# Altium PCB iMX6 Rex_V1I1_PCB.PcbDoc (part 1 of 8) (continued)
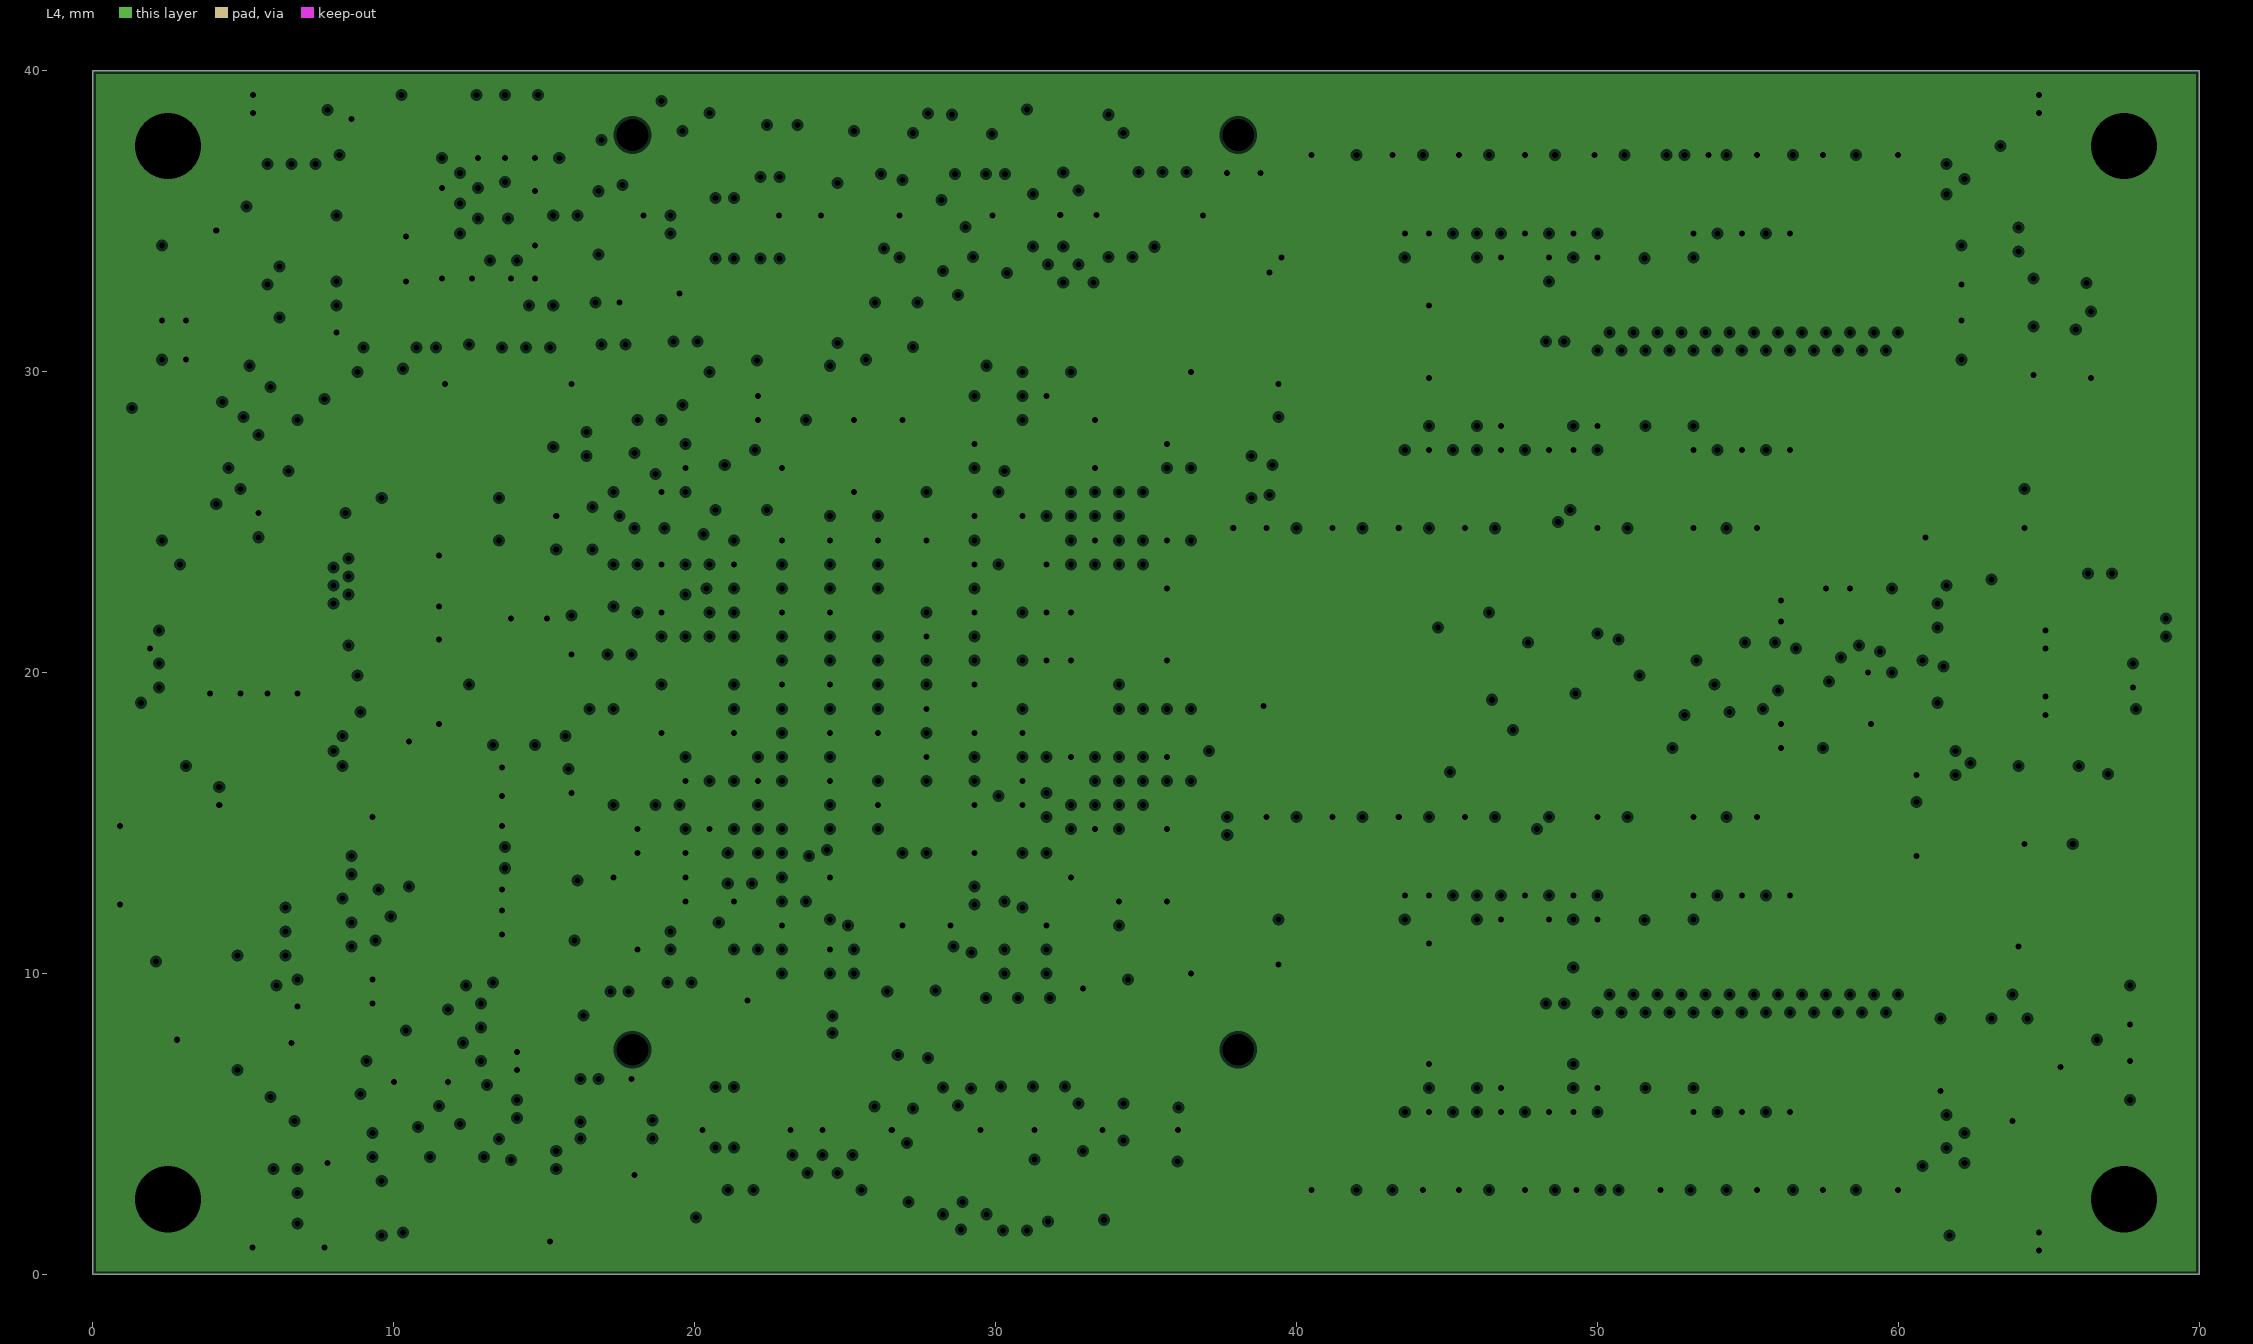
[diagram p4: L4, clearances drawn from the general rule]
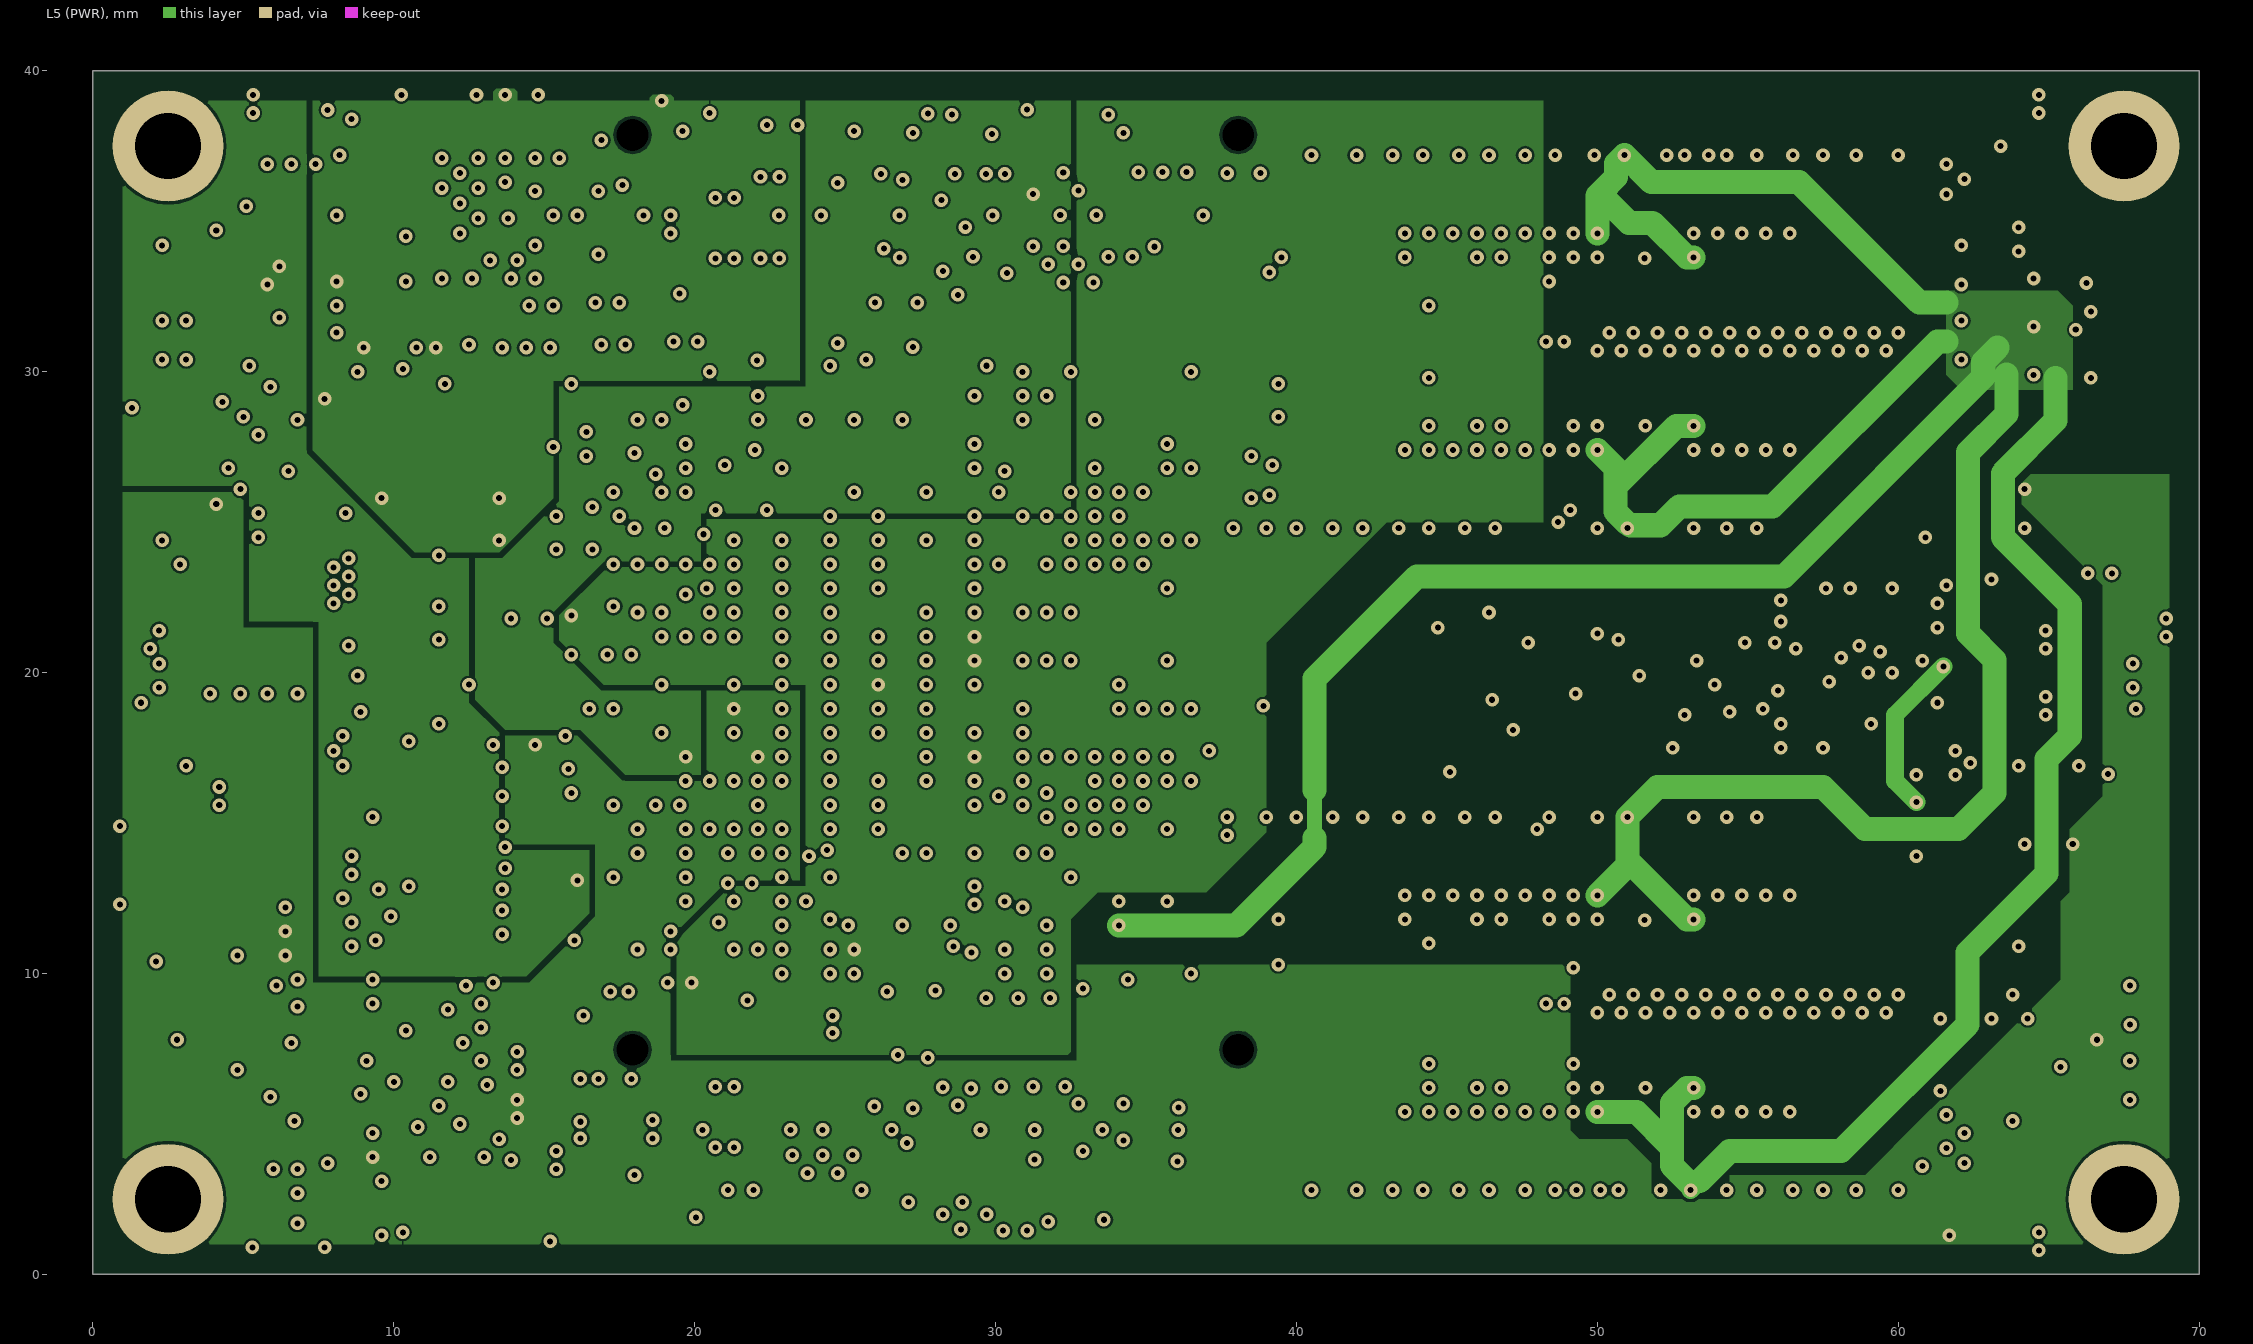
[diagram p5: L5 (PWR)]
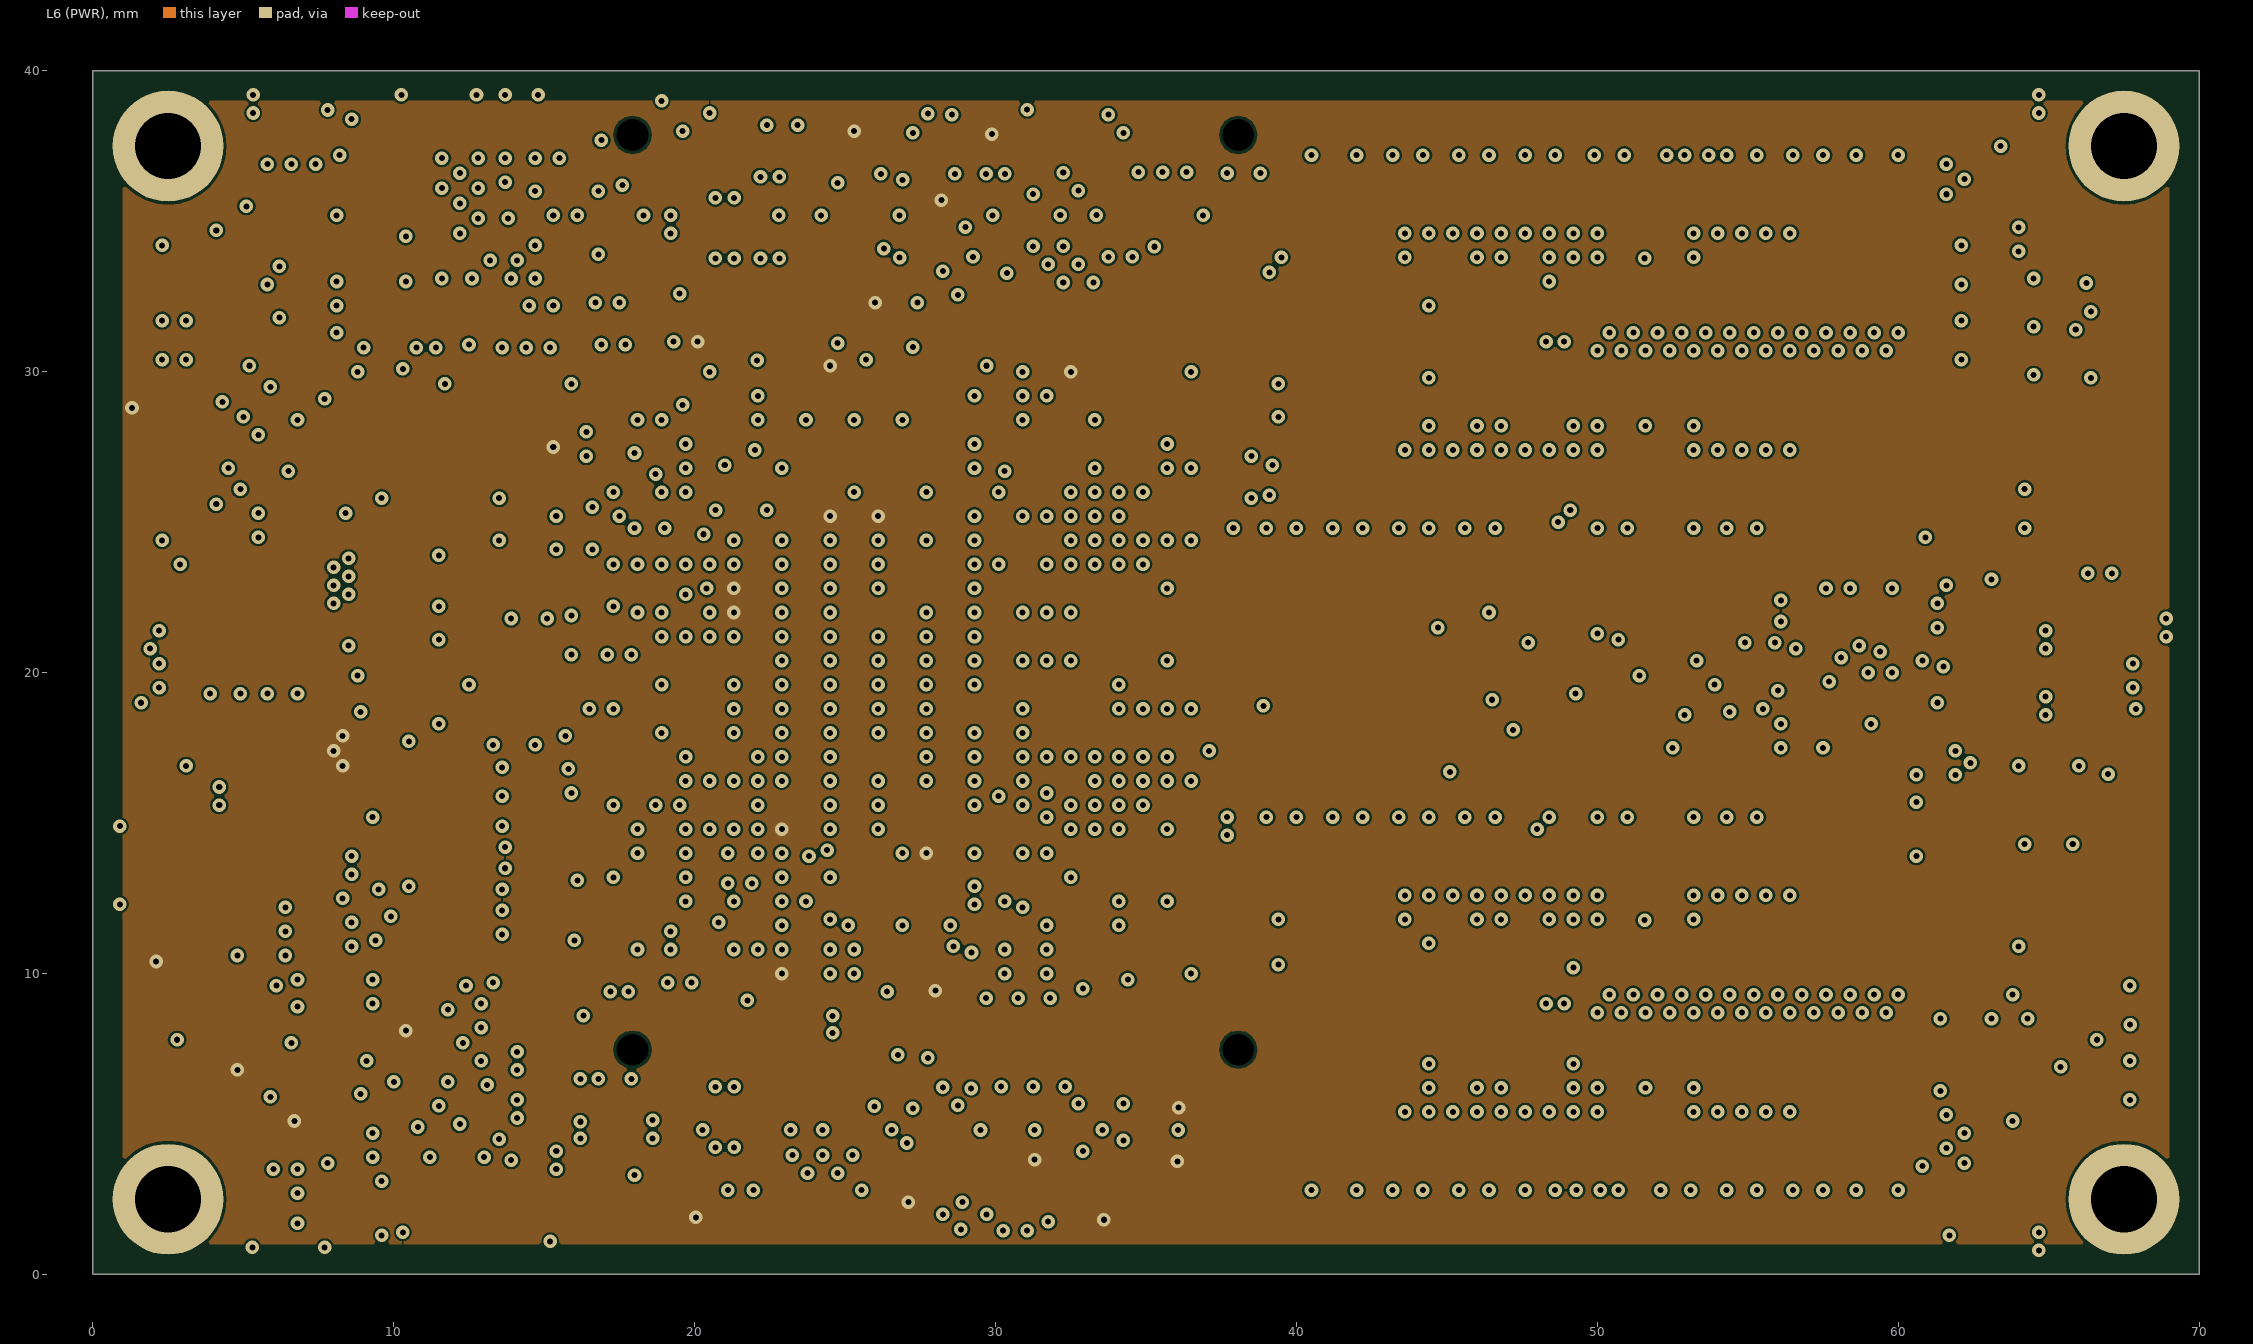
[diagram p6: L6 (PWR)]
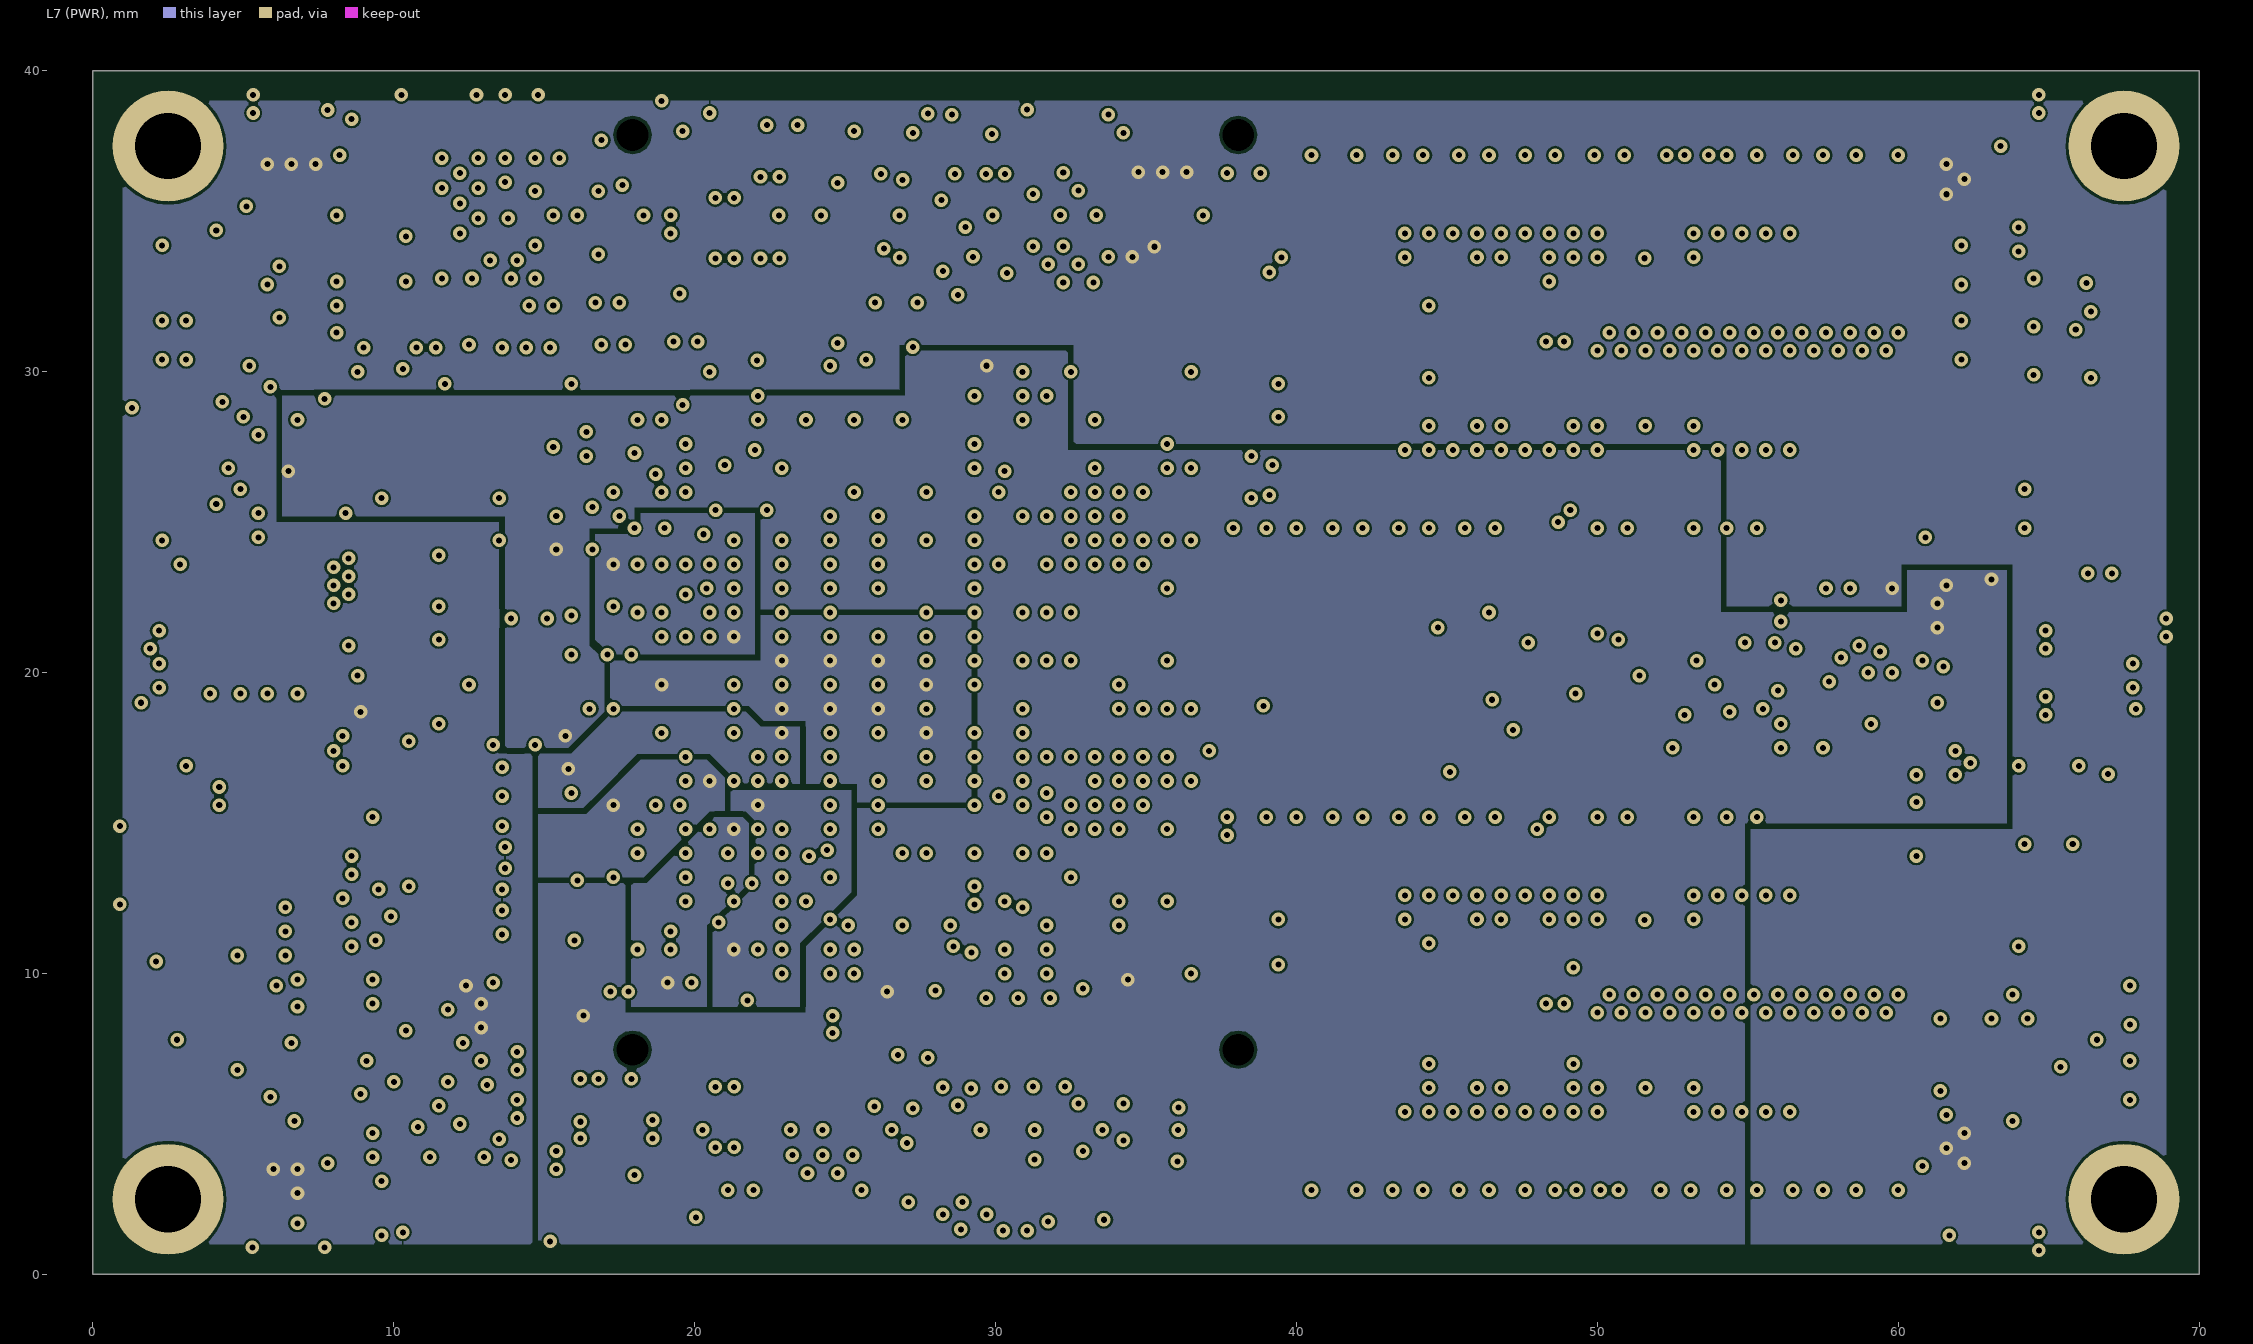
[diagram p7: L7 (PWR)]
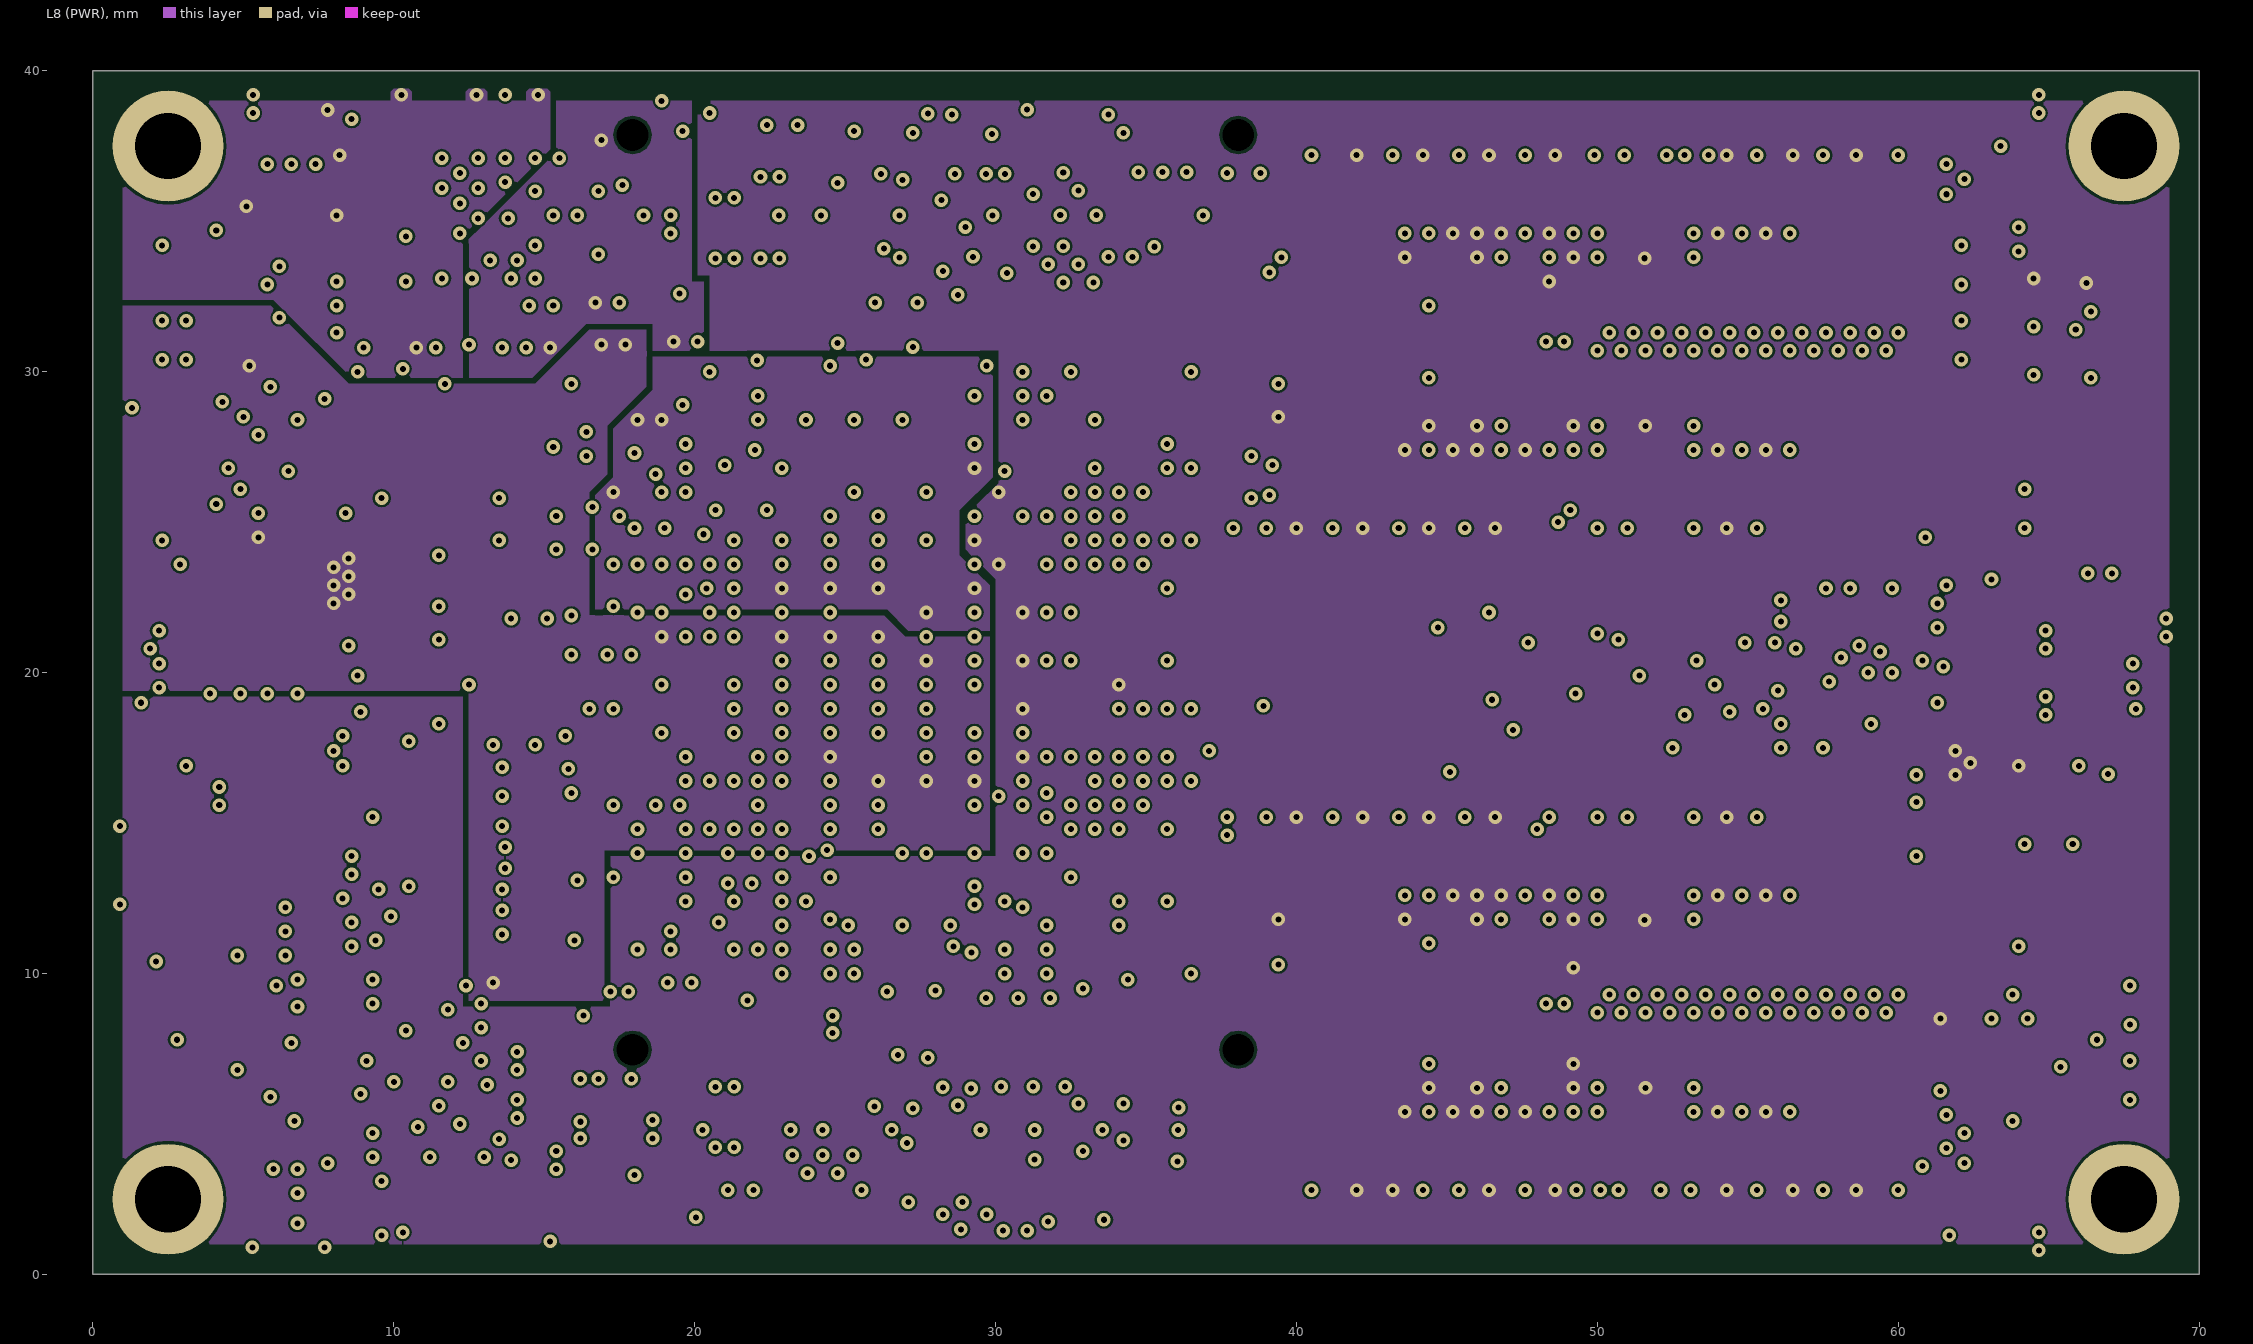
[diagram p8: L8 (PWR)]